# KiCad board austin.kicad_pcb (continued)
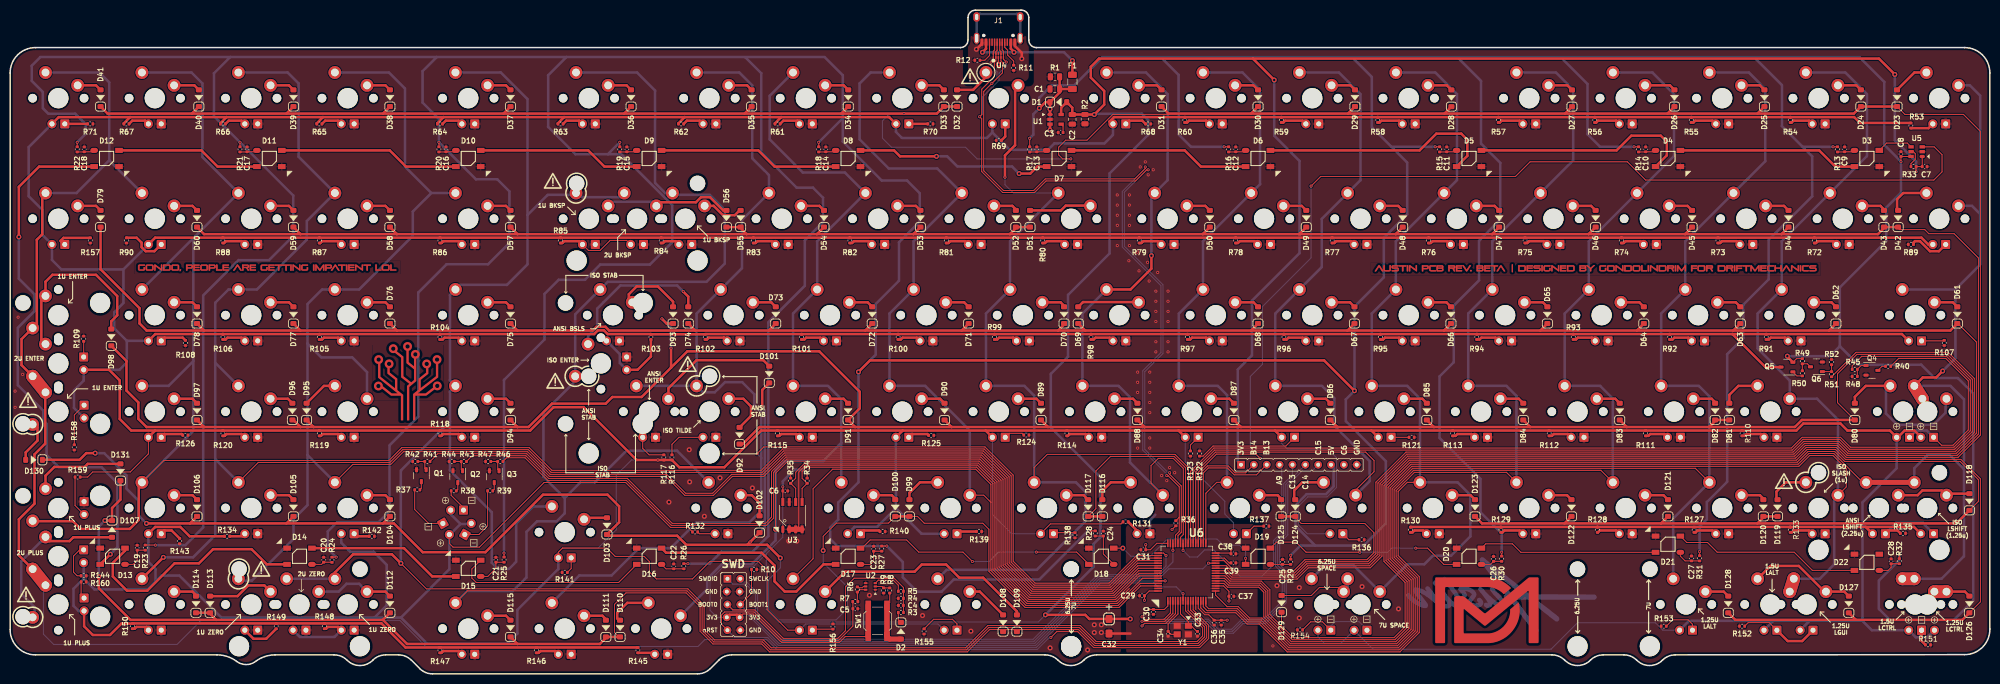
[diagram p0: board, top side]
## Routing (per net, layer and track width the routed paths; a pad name or vN(x,y) marks a point on that pad's centre or on a via; arc(x,y) is an arc through that point) (continued)
SWCLK: length 101.8
  Top w0.2: U6.49 227.8,23.87 v2(228.29,23.39)
  Bottom w0.2: v2(228.29,23.39) 228.29,21.32 226.54,19.57 214.77,19.57 202.03,6.84 152.21,6.84 147.64,11.41 147.64,15.98 145.49,18.13 144.44,18.13 144.21,18.36 X1.2
SWDIO: length 106
  Top w0.2: v2(229.65,24.4) 229.65,25.8
  Bottom w0.2: v2(229.65,24.4) 229.65,22.11 226.71,19.17 214.94,19.17 202.2,6.44 152.05,6.44 147.24,11.25 147.24,15.81 145.32,17.73 142.73,17.73 X1.1
XTAL_IN: length 9
  Top w0.2: U6.5 230.65,11.83 228.7,9.88 228.7,8.25 ; C34.1 229.28,7.81 Y1.3
XTAL_OUT: length 8
  Top w0.2: 234.5,8.25 233.38,9.37 232.7,9.37 232.7,10.31 231.15,11.86 U6.6
Net-(D2-A): length 11.8
  Top w0.2: R8.2 173.72,14.12 SW1.2
  Top w1: SW1.2 173.68,6.87 D2.2
  Top w1.1: SW1.2 SW1.2
Net-(D2-K): length 2.2
  Top w0.2: R3.2 175.41,10.68 175.92,10.17
Net-(D3-DOUT): length 35.7
  Top w0.5: D4.4 357.28,103.42 360.48,100.22 D3.2
Net-(D3-VDD): length 3.5
  Top w0.2: D3.1 363.98,103.14 C9.2 362.28,103.11 R13.1
Net-(D4-DOUT): length 44.1
  Top w0.5: D5.4 317.28,103.42 320.19,106.32 326,106.32 327.2,105.12 327.2,102.44 D4.2
Net-(D4-VDD): length 3.5
  Top w0.2: R14.1 322.99,103.11 C10.2 324.69,103.14 D4.1
Net-(D5-DOUT): length 46.9
  Top w0.5: D5.2 287.8,102.34 287.8,105.52 286.6,106.72 281.68,106.72 278.37,103.42 D6.4
Net-(D5-VDD): length 3.5
  Top w0.2: R15.1 283.7,103.11 C11.2 285.4,103.14 D5.1
Net-(D6-DOUT): length 35.7
  Top w0.5: D7.4 231.97,103.42 235.17,100.22 D6.2
Net-(D6-VDD): length 3.5
  Top w0.2: R16.1 242.03,103.11 C12.2 243.73,103.14 D6.1
Net-(D7-DOUT): length 39.2
  Top w0.5: v1(199.28,98.84) 201.48,98.84 202.86,100.22 D7.2 ; D8.4 174.57,103.42 175.76,102.24 v1(182.95,102.24)
  Bottom w0.5: v1(182.95,102.24) 185.08,102.24 187.08,100.24 197.88,100.24 v1(199.28,98.84)
Net-(D7-VDD): length 3.5
  Top w0.2: D7.1 204.44,103.14 C13.2 202.74,103.11 R17.1
Net-(D8-DOUT): length 35.7
  Top w0.5: D9.4 147.77,103.42 150.97,100.22 D8.2
Net-(D8-VDD): length 3.5
  Top w0.2: R18.1 161.07,103.11 C14.2 162.77,103.14 D8.1
Net-(D9-VDD): length 3.5
  Top w0.2: D9.1 123.48,103.14 C15.2 121.78,103.11 R19.1
Net-(D10-DIN): length 32.1
  Top w0.5: D9.2 117.37,100.22 114.17,103.42 D10.4
Net-(D10-DOUT): length 35.7
  Top w0.5: D10.2 78.17,100.22 74.97,103.42 D11.4
Net-(D10-VDD): length 3.5
  Top w0.2: R20.1 86.06,103.11 C16.2 87.76,103.14 D10.1
Net-(D11-DOUT): length 28.6
  Top w0.5: D12.4 37.77,103.42 40.97,100.22 D11.2
Net-(D11-VDD): length 3.5
  Top w0.2: D11.1 48.47,103.14 C17.2 46.77,103.11 R21.1
Net-(D12-DOUT): length 108.2
  Top w0.5: D13.4 v1(19.79,23.64) ; v1(1.72,86.32) 1.72,96.21 5.73,100.22 D12.2
  Bottom w0.5: v1(19.79,23.64) 21.19,25.04 21.19,37.69 18.04,40.84 9.6,40.84 7.2,43.24 7.2,49.41 6.55,50.06 6.55,52.01 1.52,57.04 1.52,68.37 4.81,71.66 4.81,74.97 1.72,78.06 v1(1.72,86.32)
Net-(D12-VDD): length 3.5
  Top w0.2: R22.1 14.62,103.11 C18.2 16.32,103.14 D12.1
Net-(D13-DOUT): length 46.8
  Top w0.5: D14.4 50.68,21.64 47.68,24.64 40.08,24.64 37.28,21.84 32.48,21.84 27.08,16.44 23.08,16.44 20.28,19.24 20.28,21.92 22.69,24.34 D13.2
Net-(D13-VDD): length 6.3
  Top w0.2: R23.1 C19.2 25.09,22.44 24.29,21.64 D13.1
Net-(D14-DOUT): length 30.7
  Top w0.5: D15.4 83.37,19.25 77.79,24.84 D14.2
Net-(D14-VDD): length 4.2
  Top w0.2: D14.1 61.5,21.64 C20.2 63.54,22.06 R24.1
Net-(D15-DOUT): length 38.7
  Top w0.2: D16.4 120.17,18.05 92.06,18.05 91.19,18.92 91.19,20.71 D15.2
Net-(D15-VDD): length 6.5
  Top w0.2: D15.1 94.34,19.25 95.94,20.85 C21.2 R25.1
Net-(D16-DOUT): length 42
  Top w0.5: D17.4 160.64,21.64 155.28,16.27 152.97,16.27 150.97,18.27 150.97,21.4 148.44,23.93 129.56,23.93 D16.2
Net-(D16-VDD): length 4.8
  Top w0.2: D16.1 129.54,20.76 C22.2 R26.1
Net-(D17-DOUT): length 49.3
  Top w0.2: D17.2 168.24,24.84 169.86,26.46 177.06,26.46 179.46,24.06 188.19,24.06 v2(190.04,22.2) ; v2(202.68,24.06) 210.63,24.06 D18.4
  Bottom w0.2: v2(202.68,24.06) 195.2,24.06 193.34,22.2 v2(190.04,22.2)
Net-(D17-VDD): length 6.4
  Top w0.2: D17.1 169.95,21.64 170.55,22.24 C23.2 R27.1
Net-(D18-DOUT): length 31.7
  Top w0.2: D19.4 v2(244.01,22.84) ; D18.2 v1(219.75,24.84)
  Bottom w0.2: v2(244.01,22.84) 244.01,24.24 242.84,25.41 239.58,25.41 238.35,26.64 228.55,26.64 225.15,23.24 221.35,23.24 v1(219.75,24.84)
Net-(D18-VDD): length 8
  Top w0.2: D18.1 215.91,23.68 C24.2 R28.1
Net-(D19-DOUT): length 39.8
  Top w0.2: v2(266.55,24.04) 255.95,24.04 253.95,26.04 250.11,26.04 D19.2 ; v2(277.6,24.84) 279.95,24.84 283.15,21.64 D20.4
  Bottom w0.2: v2(266.55,24.04) 272.07,24.04 272.87,24.84 v2(277.6,24.84)
Net-(D19-VDD): length 4
  Top w0.2: D19.1 C25.2 R29.1
Net-(D20-DOUT): length 35.4
  Top w0.2: D21.4 298.37,24.02 296.7,25.69 291.43,25.69 D20.2
Net-(D20-VDD): length 4.2
  Top w0.2: D20.1 292.38,21.64 C26.2 R30.1
Net-(D21-DOUT): length 37.2
  Top w0.2: D22.4 355.94,20.44 352.35,24.04 337.15,24.04 335.23,25.96 331.13,25.96 D21.2
Net-(D21-VDD): length 5
  Top w0.2: R31.1 C27.2 330.8,22.32 329.87,23.25 D21.1
Net-(D22-VDD): length 4.9
  Top w0.2: D22.1 370.91,20.44 371.49,21.03 C28.2 R32.1
Net-(D23-A): length 7.2
  Top w0.5: SW2.1 376.1,118.8 D23.2
Net-(D24-A): length 4.9
  Top w0.5: SW3.2 364.63,116.26 D24.2
Net-(D25-A): length 4.9
  Top w0.5: SW4.2 345.58,116.26 D25.2
Net-(D26-A): length 6.2
  Top w0.5: SW5.2 327.82,116.26 D26.2
Net-(D27-A): length 5
  Top w0.5: D27.2 307.56,116.26 SW6.2
Net-(D28-A): length 5
  Top w0.5: SW7.2 283.75,116.26 D28.2
Net-(D29-A): length 5
  Top w0.5: SW8.2 264.71,116.26 D29.2
Net-(D30-A): length 4.9
  Top w0.5: SW9.2 245.57,116.26 D30.2
Net-(D31-A): length 4.9
  Top w0.5: D31.2 226.52,116.26 SW10.2
Net-(D32-A): length 7.9
  Top w0.5: SW11.1 192.72,117.91 190.19,115.37 187.21,115.37 ; D32.2 187.21,115.37 ; 187.21,115.37 186.93,115.37
Net-(D33-A): length 4.8
  Top w0.5: SW12.2 183.52,116.26 D33.2
Net-(D34-A): length 4.9
  Top w0.5: SW13.2 164.63,116.26 D34.2
Net-(D35-A): length 4.9
  Top w0.5: D35.2 145.56,116.26 SW14.2
Net-(D36-A): length 4.9
  Top w0.5: SW15.2 121.74,116.26 D36.2
Net-(D37-A): length 4.9
  Top w0.5: D37.2 97.93,116.26 SW16.2
Net-(D38-A): length 4.9
  Top w0.5: SW17.2 74.12,116.26 D38.2
Net-(D39-A): length 4.9
  Top w0.5: D39.2 55.07,116.26 SW18.2
Net-(D40-A): length 5.3
  Top w0.5: SW19.2 36.38,116.26 D40.2
Net-(D41-A): length 4.9
  Top w0.5: SW20.2 16.97,116.26 D41.2
Net-(D42-A): length 8.5
  Top w0.5: 372.67,91.56 372.67,93.78 373.88,94.99 SW21.1
Net-(D43-A): length 4.9
  Top w0.5: SW22.2 369.39,92.45 370.28,91.56
Net-(D44-A): length 4.9
  Top w0.5: SW23.2 350.34,92.45 D44.2
Net-(D45-A): length 4.9
  Top w0.5: D45.2 331.29,92.45 SW24.2
Net-(D46-A): length 4.9
  Top w0.5: SW25.2 312.24,92.45 D46.2
Net-(D47-A): length 4.9
  Top w0.5: D47.2 293.19,92.45 SW26.2
Net-(D48-A): length 4.9
  Top w0.5: SW27.2 274.14,92.45 D48.2
Net-(D49-A): length 4.9
  Top w0.5: SW28.2 255.09,92.45 D49.2
Net-(D50-A): length 4.9
  Top w0.5: SW29.2 236.04,92.45 D50.2
Net-(D51-A): length 12.3
  Top w0.5: D51.2 207.53,91.56 208.48,92.5 213.31,92.5 SW30.2
Net-(D52-A): length 4.9
  Top w0.5: SW31.2 197.94,92.45 198.83,91.56
Net-(D53-A): length 4.9
  Top w0.5: SW32.2 178.89,92.45 D53.2
Net-(D54-A): length 4.9
  Top w0.5: D54.2 159.84,92.45 SW33.2
Net-(D55-A): length 8.1
  Top w0.5: SW34.2 138.96,92.45 140.8,90.61 143.12,90.61 144.07,91.56
Net-(D56-A): length 25.8
  Top w0.5: SW40.2 128.35,93.16 135.44,93.16 136.45,94.17 138.23,94.17 140.84,91.56 D56.2
  Bottom w0.5: SW40.2 126.81,93.27 118.93,93.27 SW35.2
Net-(D57-A): length 4.9
  Top w0.5: SW36.2 97.93,92.45 D57.2
Net-(D58-A): length 4.9
  Top w0.5: SW37.2 74.12,92.45 D58.2
Net-(D59-A): length 4.9
  Top w0.5: SW38.2 55.07,92.45 D59.2
Net-(D60-A): length 4.9
  Top w0.5: D60.2 36.02,92.45 SW39.2
Net-(D61-A): length 4.9
  Top w0.5: SW41.2 383.68,73.4 D61.2
Net-(D62-A): length 4.7
  Top w0.5: SW42.2 359.71,73.4 D62.2
Net-(D63-A): length 4.9
  Top w0.5: D63.2 340.82,73.4 SW43.2
Net-(D64-A): length 4.9
  Top w0.5: D64.2 321.77,73.4 SW44.2
Net-(D65-A): length 4.9
  Top w0.5: D65.2 302.72,73.4 SW45.2
Net-(D66-A): length 4.9
  Top w0.5: SW46.2 283.67,73.4 D66.2
Net-(D67-A): length 4.9
  Top w0.5: D67.2 264.62,73.4 SW47.2
Net-(D68-A): length 4.9
  Top w0.5: D68.2 245.57,73.4 SW48.2
Net-(D69-A): length 12.3
  Top w0.5: D69.2 211.89,73.45 222.83,73.45 SW49.2
Net-(D70-A): length 4.9
  Top w0.5: 208.36,72.51 207.47,73.4 SW50.2
Net-(D71-A): length 4.9
  Top w0.5: D71.2 188.42,73.4 SW51.2
Net-(D72-A): length 4.9
  Top w0.5: D72.2 169.37,73.4 SW52.2
Net-(D73-A): length 4.9
  Top w0.5: 146.68,73.4 150.32,73.4 D73.2
Net-(D74-A): length 30.6
  Top w0.5: v2(132.93,75.54) 133.93,74.54 D74.2
  Bottom w0.5: SW54.2 114.14,66.75 115.93,68.54 115.93,72.14 120.53,76.74 131.73,76.74 v2(132.93,75.54)
Net-(D75-A): length 4.9
  Top w0.5: SW55.2 97.93,73.4 D75.2
Net-(D76-A): length 4.9
  Top w0.5: D76.2 74.12,73.4 SW56.2
Net-(D77-A): length 4.9
  Top w0.5: D77.2 55.07,73.4 SW57.2
Net-(D78-A): length 4.9
  Top w0.5: SW58.2 36.02,73.4 D78.2
Net-(D79-A): length 4.9
  Top w0.5: D79.2 16.97,92.45 SW59.2
Net-(D80-A): length 31.4
  Top w0.5: D80.2 364.33,54.72 366.5,56.89 SW60.1
  Bottom w0.5: SW60.1 370.48,56.05 370.48,51.44 372.7,49.22 379.86,49.22 382.25,51.6 382.25,54.17 SW79.2
Net-(D81-A): length 8
  Top w0.5: D81.2 339.54,55.11 341.32,56.89 SW61.1
Net-(D82-A): length 4.9
  Top w0.5: SW62.2 336.06,54.35 336.95,53.46
Net-(D83-A): length 4.9
  Top w0.5: SW63.2 317.01,54.35 D83.2
Net-(D84-A): length 4.9
  Top w0.5: SW64.2 297.96,54.35 D84.2
Net-(D85-A): length 4.9
  Top w0.5: D85.2 278.91,54.35 SW65.2
Net-(D86-A): length 4.9
  Top w0.5: SW66.2 259.86,54.35 D86.2
Net-(D87-A): length 4.9
  Top w0.5: D87.2 240.81,54.35 SW67.2
Net-(D88-A): length 4.9
  Top w0.5: SW68.2 221.76,54.35 D88.2
Net-(D89-A): length 4.9
  Top w0.5: SW69.2 202.71,54.35 D89.2
Net-(D90-A): length 4.9
  Top w0.5: SW70.2 183.66,54.35 D90.2
Net-(D91-A): length 4.9
  Top w0.5: SW71.2 164.61,54.35 D91.2
Net-(D92-A): length 10.1
  Top w0.5: D92.2 146.31,50.95 146.31,52.85 144.81,54.35 SW72.2
Net-(D93-A): length 13.2
  Top w0.5: D93.2 130.93,73.54 127.93,76.54 123.73,76.54 122.19,75 122.19,73.4
Net-(D94-A): length 4.9
  Top w0.5: SW74.2 97.93,54.35 D94.2
Net-(D95-A): length 7
  Top w0.5: D95.2 61.98,56.89 SW75.1
Net-(D96-A): length 4.7
  Top w0.5: SW76.2 54.86,54.35 D96.2
Net-(D97-A): length 4.9
  Top w0.5: D97.2 36.02,54.35 SW77.2
Net-(D98-A): length 37.3
  Top w0.5: 6.98,65.93 SW78.2 6.17,65.96 6.17,73.85 SW117.2 6.98,77.47 8.35,78.84 16.95,78.84 21.15,74.64 21.15,70.84 19.97,69.66 D98.2
Net-(D99-A): length 7.8
  Top w0.5: D99.2 177.61,35.76 179.69,37.84 SW80.1
Net-(D100-A): length 4.9
  Top w0.5: SW81.2 174.13,35.3 175.02,34.41
Net-(D101-A): length 24.8
  Top w0.5: SW82.2 130.02,56.42 135.56,61.96 148.75,61.96 D101.2
Net-(D102-A): length 6.5
  Top w0.5: 148.01,31.61 148.01,33.76 146.47,35.3 SW83.2
Net-(D103-A): length 4.6
  Top w0.5: D103.2 113.65,30.84 SW84.2
Net-(D104-A): length 4.9
  Top w0.5: D104.2 74.12,35.3 SW85.2
Net-(D105-A): length 4.9
  Top w0.5: SW86.2 55.07,35.3 D105.2
Net-(D106-A): length 4.9
  Top w0.5: SW87.2 36.02,35.3 D106.2
Net-(D107-A): length 32.7
  Top w0.5: SW88.2 7.8,26.23 11.72,26.23 12.48,26.99 D107.2
  Bottom w0.5: SW88.2 2.2,22.27 2.2,15.81 4.81,13.2 4.81,11.17
Net-(D108-A): length 8.5
  Top w0.5: SW89.2 191.51,16.25 D108.2
Net-(D109-A): length 44.6
  Top w0.5: D109.2 198.84,12.34 192.18,19 187.46,19 184.87,21.6 180.04,21.6 178.64,20.2 164.92,20.2 SW90.2
Net-(D110-A): length 8.6
  Top w0.5: 120.25,10.6 119.9,10.95 119.9,12.05 121.88,14.03 SW91.1
Net-(D111-A): length 4.9
  Top w0.5: 117.87,10.6 116.98,11.49 SW92.2
Net-(D112-A): length 15.7
  Top w0.5: SW93.2 74.12,16.25 D112.2
  Bottom w0.5: SW97.2 64.89,16.25 66.44,17.8 68.94,17.8 SW93.2
Net-(D113-A): length 13.5
  Top w0.5: SW94.2 50.21,17.47 47.04,17.47 44.92,15.36 39.29,15.36
Net-(D114-A): length 4.9
  Top w0.5: 36.91,15.36 36.02,16.25 SW95.2
Net-(D115-A): length 4.9
  Top w0.5: SW96.2 97.93,11.49 D115.2
Net-(D116-A): length 8
  Top w0.5: D116.2 215.71,36.16 217.39,37.84 SW98.1
Net-(D117-A): length 4.7
  Top w0.5: D117.2 212.02,35.3 SW99.2
Net-(D118-A): length 14.9
  Top w0.5: SW100.2 376.74,35.3 377.68,36.24 381.49,36.24 SW101.2 382.73,35.6 D118.2
Net-(D119-A): length 8.1
  Top w0.5: 348.85,34.41 348.85,36 350.69,37.84 SW102.1
Net-(D120-A): length 4.9
  Top w0.5: SW103.2 345.58,35.3 346.47,34.41
Net-(D121-A): length 4.9
  Top w0.5: SW104.2 326.53,35.3 D121.2
Net-(D122-A): length 4.9
  Top w0.5: D122.2 307.48,35.3 SW105.2
Net-(D123-A): length 4.9
  Top w0.5: SW106.2 288.43,35.3 D123.2
Net-(D124-A): length 8.3
  Top w0.5: SW107.1 255.2,37.84 253.6,36.24 253.6,34.41
Net-(D125-A): length 4.9
  Top w0.5: SW108.2 250.33,35.3 251.22,34.41
Net-(D126-A): length 9.7
  Top w0.5: D126.2 386.06,16.25 SW109.2
  Top w2.54: SW113.2 SW109.2
  Bottom w2.54: SW113.2 SW109.2
Net-(D127-A): length 21.5
  Top w0.5: D127.2 362.25,16.25 SW110.2 358.34,16.25 353.26,21.33 347.66,21.33 SW114.1
Net-(D128-A): length 4.9
  Top w0.5: D128.2 338.44,16.25 SW111.2
Net-(D129-A): length 16.1
  Top w0.2: SW112.2 262.54,17.07 258.59,17.07 257,15.49 D129.2
  Bottom w0.5: SW115.1 264.16,17.04 SW112.2
Net-(D130-A): length 8.2
  Top w0.5: 4.81,49.27 5.4,48.68 5.4,46.09 3.07,43.76 D130.2
Net-(D131-A): length 18.3
  Top w0.5: SW119.2 6.98,39.15 8.72,40.89 14.71,40.89 15.31,41.49 D131.2
Net-(J1-CC1): length 5.3
  Top w0.2: J1.A5 196.43,123.78 197.01,123.2 197.01,122.25 198.2,121.05 R11.2
Net-(J1-CC2): length 4.9
  Top w0.2: R12.2 192.49,121.22 193.43,122.16 J1.B5
Net-(LED1-PadK): length 42.1
  Top w0.2: R40.2 372.99,62.32 382.28,62.32 386.74,57.86 386.74,48.19 383.72,45.17 381.45,45.17 LED1.K
  Bottom w0.5: LED2.K 376.47,48.07 378.55,48.07 LED1.K
Net-(LED3-PadK): length 4.4
  Top w0.5: LED3.K 220.98,109.29 223.6,109.29 R68.1
Net-(LED4-PadK): length 3.6
  Top w0.5: LED4.K 196.53,106.15 R69.1
Net-(LED5-PadK): length 3.8
  Top w0.5: LED5.K R70.1
Net-(LED6-PadK): length 4.5
  Top w0.5: R71.1 LED6.K
Net-(LED7-PadA): length 5.1
  Top w0.5: 379.45,108.93 LED7.A 378.89,107.81 R53.2
Net-(LED8-PadA): length 4.7
  Top w0.5: LED8.A 355.28,109.29 352.23,109.29 351.87,108.93 R54.2
Net-(LED9-PadA): length 5.3
  Top w0.5: LED9.A 336.23,109.29 332.83,109.29 332.47,108.93 R55.2
Net-(LED10-PadA): length 5.3
  Top w0.5: LED10.A 317.18,109.29 313.63,109.29 313.27,108.93 R56.2
Net-(LED11-PadA): length 5.3
  Top w0.5: R57.2 294.22,108.93 294.58,109.29 298.13,109.29 LED11.A
Net-(LED12-PadA): length 5.3
  Top w0.5: R58.2 270.47,108.93 270.83,109.29 274.32,109.29 LED12.A
Net-(LED13-PadA): length 5.3
  Top w0.5: R59.2 251.47,108.93 251.83,109.29 255.27,109.29 LED13.A
Net-(LED14-PadA): length 5.3
  Top w0.5: LED14.A 236.22,109.29 232.83,109.29 232.47,108.93 R60.2
Net-(LED15-PadA): length 4.5
  Top w0.5: R61.2 152.72,109.29 155.52,109.29 155.89,108.91 LED15.A
Net-(LED16-PadA): length 4.4
  Top w0.5: LED16.A 136.2,109.29 133.67,109.29 R62.2
Net-(LED17-PadA): length 4.4
  Top w0.5: LED17.A 112.39,109.29 109.85,109.29 R63.2
Net-(LED18-PadA): length 4.4
  Top w0.5: R64.2 86.04,109.29 88.58,109.29 LED18.A
Net-(LED19-PadA): length 4.4
  Top w0.5: 65.4,108.65 64.77,109.29 62.23,109.29 R65.2
Net-(LED20-PadA): length 4.4
  Top w0.5: LED20.A 45.72,109.29 43.18,109.29 R66.2
Net-(LED21-PadA): length 4.4
  Top w0.5: 23.48,108.64 24.13,109.29 26.67,109.29 LED21.A
Net-(LED22-PadK): length 8.2
  Top w0.5: R89.1 375.91,85.18 376.2,85.47 377.2,85.47 379.18,83.5 380.93,83.5 LED22.K
Net-(LED23-PadK): length 9.1
  Top w0.5: LED23.K 28.51,83.5 26.75,83.5 25.97,84.28 25.97,85.18 25,86.15 22.99,86.15 R90.1
Net-(LED24-PadA): length 4.7
  Top w0.5: LED24.A 360.04,85.47 357.02,85.47 356.66,85.11 R72.1
Net-(LED25-PadA): length 4.7
  Top w0.5: R73.1 337.74,85.11 338.1,85.47 340.99,85.47 LED25.A
Net-(LED26-PadA): length 4.7
  Top w0.5: R74.1 318.69,85.11 319.05,85.47 321.94,85.47 LED26.A
Net-(LED27-PadA): length 4.7
  Top w0.5: LED27.A 302.89,85.47 300,85.47 299.64,85.11 R75.1
Net-(LED28-PadA): length 4.7
  Top w0.5: LED28.A 283.84,85.47 280.95,85.47 280.59,85.11 R76.1
Net-(LED29-PadA): length 4.7
  Top w0.5: R77.1 261.54,85.11 261.9,85.47 264.79,85.47 LED29.A
Net-(LED30-PadA): length 4.7
  Top w0.5: LED30.A 245.74,85.47 242.85,85.47 242.49,85.11 R78.1
Net-(LED31-PadA): length 4.7
  Top w0.5: LED31.A 226.69,85.47 223.8,85.47 223.44,85.11 R79.1
Net-(LED32-PadA): length 4.7
  Top w0.5: R80.1 204.39,85.11 204.75,85.47 207.64,85.47 LED32.A
Net-(LED33-PadA): length 4.7
  Top w0.5: R81.1 185.34,85.11 185.7,85.47 188.59,85.47 LED33.A
Net-(LED34-PadA): length 4.7
  Top w0.5: R82.1 166.29,85.11 166.65,85.47 169.54,85.47 LED34.A
Net-(LED35-PadA): length 4.7
  Top w0.5: LED35.A 150.49,85.47 147.6,85.47 147.24,85.11 R83.1
Net-(LED36-PadA): length 3.9
  Top w0.5: LED36.A 131.44,85.47 129.32,85.47 128.96,85.11 R84.2
Net-(LED37-PadA): length 15.9
  Top w0.2: LED38.A 121.77,85.62 118.49,85.62 116.51,83.65 114.22,83.65 LED37.A
  Top w0.5: LED37.A 112.39,85.47 109.42,85.47 109.06,85.11 R85.2
Net-(LED39-PadA): length 4.7
  Top w0.5: R86.2 85.23,85.11 85.59,85.47 88.58,85.47 LED39.A
Net-(LED40-PadA): length 4.7
  Top w0.5: 65.4,84.84 64.77,85.47 61.62,85.47 61.26,85.11 R87.2
Net-(LED41-PadA): length 4.7
  Top w0.5: LED41.A 45.72,85.47 42.62,85.47 42.26,85.11 R88.2
Net-(LED42-PadK): length 4.5
  Top w0.2: LED42.K 381.88,65.79 R107.2
Net-(LED43-PadK): length 5.3
  Top w0.5: LED43.K 30.48,66.42 34.08,66.42 R108.1
Net-(LED44-PadK): length 3.1
  Top w0.2: R109.1 LED44.K
Net-(LED45-PadA): length 4.7
  Top w0.5: LED45.A 350.52,66.42 347.72,66.42 347.36,66.06 R91.2
Net-(LED46-PadA): length 4.7
  Top w0.5: R92.2 328.31,66.06 328.67,66.42 331.47,66.42 LED46.A
Net-(LED47-PadA): length 4.7
  Top w0.5: LED47.A 312.42,66.42 309.62,66.42 309.26,66.06 R93.2
Net-(LED48-PadA): length 4.7
  Top w0.5: R94.2 290.21,66.06 290.57,66.42 293.37,66.42 294,65.79
Net-(LED49-PadA): length 4.7
  Top w0.5: R95.2 271.16,66.06 271.52,66.42 274.32,66.42 LED49.A
Net-(LED50-PadA): length 4.7
  Top w0.5: LED50.A 255.27,66.42 252.47,66.42 252.11,66.06 R96.2
Net-(LED51-PadA): length 4.7
  Top w0.5: LED51.A 236.22,66.42 233.42,66.42 233.06,66.06 R97.2
Net-(LED52-PadA): length 4.7
  Top w0.5: LED52.A 217.17,66.42 214.37,66.42 214.01,66.06 R98.2
Net-(LED53-PadA): length 4.7
  Top w0.5: R99.2 194.96,66.06 195.32,66.42 198.12,66.42 LED53.A
Net-(LED54-PadA): length 4.7
  Top w0.5: R100.2 175.91,66.06 176.27,66.42 179.07,66.42 LED54.A
Net-(LED55-PadA): length 4.7
  Top w0.5: 160.65,65.79 160.02,66.42 157.22,66.42 156.86,66.06 R101.2
Net-(LED56-PadA): length 5.6
  Top w0.5: R102.2 137.63,66.06 137.99,66.42 140.97,66.42 ; 140.97,66.42 LED56.A 140.97,66.42
Net-(LED57-PadA): length 16.4
  Top w0.5: LED58.A 123.91,60.07 126.56,62.71 R103.2
  Bottom w0.5: LED58.A 120.42,61.4 120.42,63.16 117.95,65.63
Net-(LED59-PadA): length 4.7
  Top w0.5: LED59.A 88.58,66.42 85.79,66.42 85.43,66.06 R104.2
Net-(LED60-PadA): length 4.7
  Top w0.5: R105.2 61.61,66.06 61.97,66.42 64.77,66.42 65.4,65.79
Net-(LED61-PadA): length 4.7
  Top w0.5: LED61.A 45.72,66.42 42.92,66.42 42.56,66.06 R106.2
Net-(LED62-PadK): length 3.6
  Top w0.2: R121.1 LED62.K
Net-(LED63-PadK): length 21.4
  Top w0.2: 254.47,47.52 LED63.K 251.96,45.01 237.58,45.01 235.58,43.01 R122.1
Net-(LED64-PadK): length 5
  Top w0.2: R123.1 233.1,45.21 LED64.K ; 234.73,46.83 LED64.K ; LED64.K 235.42,47.52
  Top w0.5: 234.93,47.03 LED64.K
Net-(LED65-PadK): length 4.1
  Top w0.2: LED65.K 197.32,47.52 199.85,47.52 R124.1
Net-(LED66-PadK): length 4.3
  Top w0.5: LED66.K 178.12,47.37 181.15,47.37 R125.1
Net-(LED67-PadK): length 4.6
  Top w0.5: LED67.K 30.48,47.37 33.89,47.37 R126.1
Net-(LED68-PadA): length 4.7
  Top w0.5: R110.2 342.6,47.01 342.96,47.37 345.75,47.37 LED68.A
Net-(LED69-PadA): length 4.7
  Top w0.5: R111.2 323.55,47.01 323.91,47.37 326.7,47.37 LED69.A
Net-(LED70-PadA): length 4.7
  Top w0.5: R112.2 304.5,47.01 304.86,47.37 307.65,47.37 LED70.A
Net-(LED71-PadA): length 4.7
  Top w0.5: R113.2 285.45,47.01 285.81,47.37 288.6,47.37 LED71.A
Net-(LED72-PadA): length 4.7
  Top w0.5: R114.2 208.92,47.01 209.28,47.37 212.4,47.37 LED72.A
Net-(LED73-PadA): length 4.7
  Top w0.5: R115.2 151.92,47.01 152.28,47.37 155.25,47.37 LED73.A
Net-(LED74-PadA): length 8.8
  Top w0.2: R116.2 130.71,45.36 132.09,46.73 LED74.A
Net-(LED75-PadA): length 6.9
  Top w0.2: LED75.A 124.94,44.54 126.2,43.27 R117.2
Net-(LED76-PadA): length 4.7
  Top w0.5: LED76.A 88.58,47.37 85.55,47.37 85.19,47.01 R118.2
Net-(LED77-PadA): length 4.7
  Top w0.5: R119.2 61.39,47.01 61.75,47.37 64.77,47.37 65.4,46.74
Net-(LED78-PadA): length 4.7
  Top w0.5: R120.2 42.39,47.01 42.75,47.37 45.72,47.37 LED78.A
Net-(LED79-PadK): length 14.8
  Top w0.5: R135.1 372.77,28.32 371,28.32 LED80.K
  Bottom w0.5: LED79.K 377.7,29.87 372.55,29.87 LED80.K
Net-(LED81-PadK): length 3.7
  Top w0.2: R136.2 264.4,26.49 LED81.K
Net-(LED82-PadK): length 4.1
  Top w0.2: R137.1 245.66,29.19 LED82.K
Net-(LED83-PadK): length 4.3
  Top w0.2: R138.1 206.27,27.9 LED83.K
Net-(LED84-PadK): length 4
  Top w0.5: LED84.K 187.45,28.12 R139.1
Net-(LED85-PadK): length 4.2
  Top w0.5: R140.1 171.6,28.32 168.6,28.32 LED85.K
Net-(LED86-PadK): length 3.2
  Top w0.2: LED86.K 110.81,20.8 R141.1
Net-(LED87-PadK): length 3.2
  Top w0.5: R142.1 68.44,27.19 LED87.K
Net-(LED88-PadK): length 4.6
  Top w0.5: LED88.K 30.48,28.32 31.9,28.32 R143.2
Net-(LED89-PadK): length 7.5
  Top w0.2: R144.1 13.22,19.39 12.52,20.09 12.52,23.29 13.74,24.51 LED89.K
Net-(LED90-PadA): length 4.7
  Top w0.5: LED90.A 336.23,28.32 333.28,28.32 332.92,27.96 R127.2
Net-(LED91-PadA): length 4.7
  Top w0.5: LED91.A 317.18,28.32 313.97,28.32 313.61,27.96 R128.2
Net-(LED92-PadA): length 4.7
  Top w0.5: LED92.A 298.13,28.32 295.12,28.32 294.76,27.96 R129.2
Net-(LED93-PadA): length 3.6
  Top w0.5: LED93.A 279.08,28.32 277.35,28.32 276.99,27.96 R130.2
Net-(LED94-PadA): length 3.1
  Top w0.5: LED94.A 222.57,28.29 R131.2
Net-(LED95-PadA): length 3.6
  Top w0.2: R132.2 136.14,27.69 LED95.A
Net-(LED96-PadA): length 4.7
  Top w0.5: LED96.A 355.27,28.32 352.28,28.32 351.92,27.96 R133.2
Net-(LED97-PadA): length 3.2
  Top w0.5: LED97.A 45.86,27.19 R134.2
Net-(LED98-PadK): length 3.2
  Top w0.5: LED98.K 377.51,6.5 R151.1
Net-(LED100-PadK): length 16.2
  Top w0.2: R152.1 343.27,10.12 347.43,10.12 LED100.K
  Top w0.5: LED101.K 353.93,6.49 351.07,6.49 LED100.K
Net-(LED102-PadK): length 7.2
  Top w0.2: LED102.K 332.26,9.8 331.39,10.67 328.34,10.67 R153.1
Net-(LED103-PadK): length 16
  Top w0.2: LED103.K 259.18,10.29 256.86,10.29 R154.1
  Bottom w0.2: LED104.K 267.97,8.75 266.4,10.32 261.7,10.32 260.83,9.45 LED103.K
Net-(LED105-PadK): length 8.9
  Top w0.2: R155.1 182.39,10.79 186.1,10.79 187.01,9.88 LED105.K
Net-(LED106-PadK): length 4.2
  Top w0.2: R156.1 158.63,8.84 LED106.K
Net-(LED107-PadK): length 7.3
  Top w0.5: R157.1 10.54,86.13 9.96,85.55 10.67,84.84 LED107.K
Net-(LED108-PadA): length 3.4
  Top w0.5: LED108.A 127.04,4.15 R145.2
Net-(LED109-PadA): length 4.7
  Top w0.5: LED109.A 107.63,4.51 104.76,4.51 104.4,4.15 R146.2
Net-(LED110-PadA): length 4.7
  Top w0.5: R147.2 85.2,4.15 85.56,4.51 88.58,4.51 LED110.A
Net-(LED111-PadA): length 14.4
  Top w0.5: R148.2 62.4,8.91 62.76,9.27 64.77,9.27 65.4,8.64
  Bottom w0.5: 65.4,8.64 64.07,7.3 57.22,7.3 LED111.A
Net-(LED113-PadA): length 7.7
  Top w0.5: LED113.A 48.07,6.92 50.56,6.92 R149.2
Net-(LED114-PadA): length 3.7
  Top w0.5: LED114.A 27.3,8.93 26.96,9.27 24.96,9.27 24.6,8.91 R150.2
Net-(LED115-PadK): length 8.6
  Top w0.2: LED115.K 12.67,51.15 R158.1
Net-(LED116-PadA): length 8.1
  Top w0.2: R159.2 12.81,33.28 LED116.A
Net-(LED117-PadK): length 3.4
  Top w0.2: LED117.K 14.01,15.57 R160.1
Net-(LEDCAPS1-PadK): length 4.9
  Top w0.2: R38.2 87.1,35.27 89.54,32.83 ; 89.54,32.96 LEDCAPS1.K
Net-(LEDNUM1-PadK): length 10.6
  Top w0.2: R37.1 79.9,32.47 82.64,29.73 LEDNUM1.K
Net-(LEDSCR1-PadK): length 12.1
  Top w0.2: 89.8,27.53 92.58,27.53 94.3,29.25 R39.2
Net-(Q1-D): length 1.7
  Top w0.2: R37.2 81.21,36.65 Q1.3
Net-(Q1-G): length 3.1
  Top w0.2: Q1.1 81.9,40.6 R41.2 R42.2
Net-(Q2-D): length 1.7
  Top w0.2: R38.1 88.41,36.45 Q2.3
Net-(Q2-G): length 3.3
  Top w0.2: R44.2 R43.2 89.1,40.4 Q2.1
Net-(Q3-D): length 1.7
  Top w0.2: R39.1 95.61,36.45 Q3.3
Net-(Q3-G): length 3.3
  Top w0.2: R47.2 R46.2 96.3,40.4 Q3.1
Net-(Q4-D): length 1.8
  Top w0.2: R40.1 369.69,60.76 Q4.3
Net-(Q4-G): length 3.4
  Top w0.2: Q4.1 365.57,60.91 R45.2 R48.2
Net-(Q5-G): length 2.2
  Top w0.2: R50.2 352.9,58.86 Q5.1
Net-(Q6-D): length 3.2
  Top w0.2: R50.1 R49.1 354.96,61.26 Q6.3
Net-(Q6-G): length 3.2
  Top w0.2: R52.2 R51.2 Q6.1
Net-(U1-BP/FB): length 1.8
  Top w0.2: C3.2 207.95,108.22 207.57,108.6
Net-(U2A-D): length 3.8
  Top w0.2: U2.6 167.78,16.62 167.32,16.16 167.32,14.38 R7.1
Net-(U2A-G): length 3
  Top w0.2: U2.2 172.23,17.27 R9.2 R8.1
Net-(U2B-D): length 6.4
  Top w0.2: U2.3 171.45,18.5 174.42,18.5 175.41,17.51 R5.1 175.46,16.32
Net-(U2B-G): length 1.8
  Top w0.2: U2.5 168.55,17.27 168.3,17.02 167.48,17.02 167.32,17.18
Net-(U5-OE): length 3.9
  Top w0.2: R33.1 375.41,100.78 376.27,101.64 376.27,102.78 375.89,103.16 U5.5
Net-(U6-VCAP1): length 3.4
  Top w0.2: C39.2 240.75,21.92 239.8,22.87 U6.30

## Copper pours and planes (outline as drawn; the poured copper is in the pictures)
3V3 on Bottom: 246.35,2.75 220.35,2.75 220.35,29.25 246.35,29.25
GND on Top: 188.18,125.63 188.18,116.07 202.18,116.07 202.18,125.57 392.91,125.63 392.91,-0.58 -2.38,-0.58 -2.38,125.63 ; 1 cut-out
GND on Top: 246.4,3.12 220.4,3.12 220.35,29.62 246.35,29.62
GND on Top: 268.75,81.32 268.75,78.72 357.6,78.72 357.6,81.32
GND on Top: 189.18,126.07 201.18,126.07 201.18,117.07 189.18,117.07
GND on Top: 85.6,53.97 71.6,53.97 71.6,64.97 85.6,64.97
GND on Top: 24.52,81.6 24.52,79 77.12,79 77.12,81.6
GND on Bottom: 392.91,125.63 392.91,-0.58 -2.38,-0.58 -2.38,125.63 ; 1 cut-out
(no net) on Top: 296.6,10.32 294.9,7.44 285.89,7.31 286.09,13.74 291.2,9.92 296.6,14.32

## Text on the board
User.Eco2: Case outer wall | Case inner wall | Slot limit | Connector slot / mid-line
F.Silkscreen: 6.25U / 7U | 6.25U | 7U | SWCLK | GND | BOOT1 | 3V3 | SWDIO | BOOT0 | nRST | 2U ENTER | 2U PLUS | 1U ENTER | 1U PLUS | 1U ZERO | 2U ZERO | 1U BKSP | ISO ENTER | ANSI / STAB | ISO / STAB | ISO STAB | 2U BKSP | ANSI / ENTER | ISO TILDE | 6.25U / SPACE | 7U SPACE | 1.25U / LALT | 1.5U / LALT | 1.25U / LGUI | ISO / SLASH / (1u) | ANSI / LSHIFT / (2.25u) | 1.5U / LCTRL | 1.25U / LCTRL | ISO / LSHIFT / (1.25u) | ANSI BSLS | B14 | B13 | C15 | 5V | C6 | A9 | C13 | C14 | SWD
